# KiCad board sun3_60_layout2_routing2.kicad_pcb (continued)
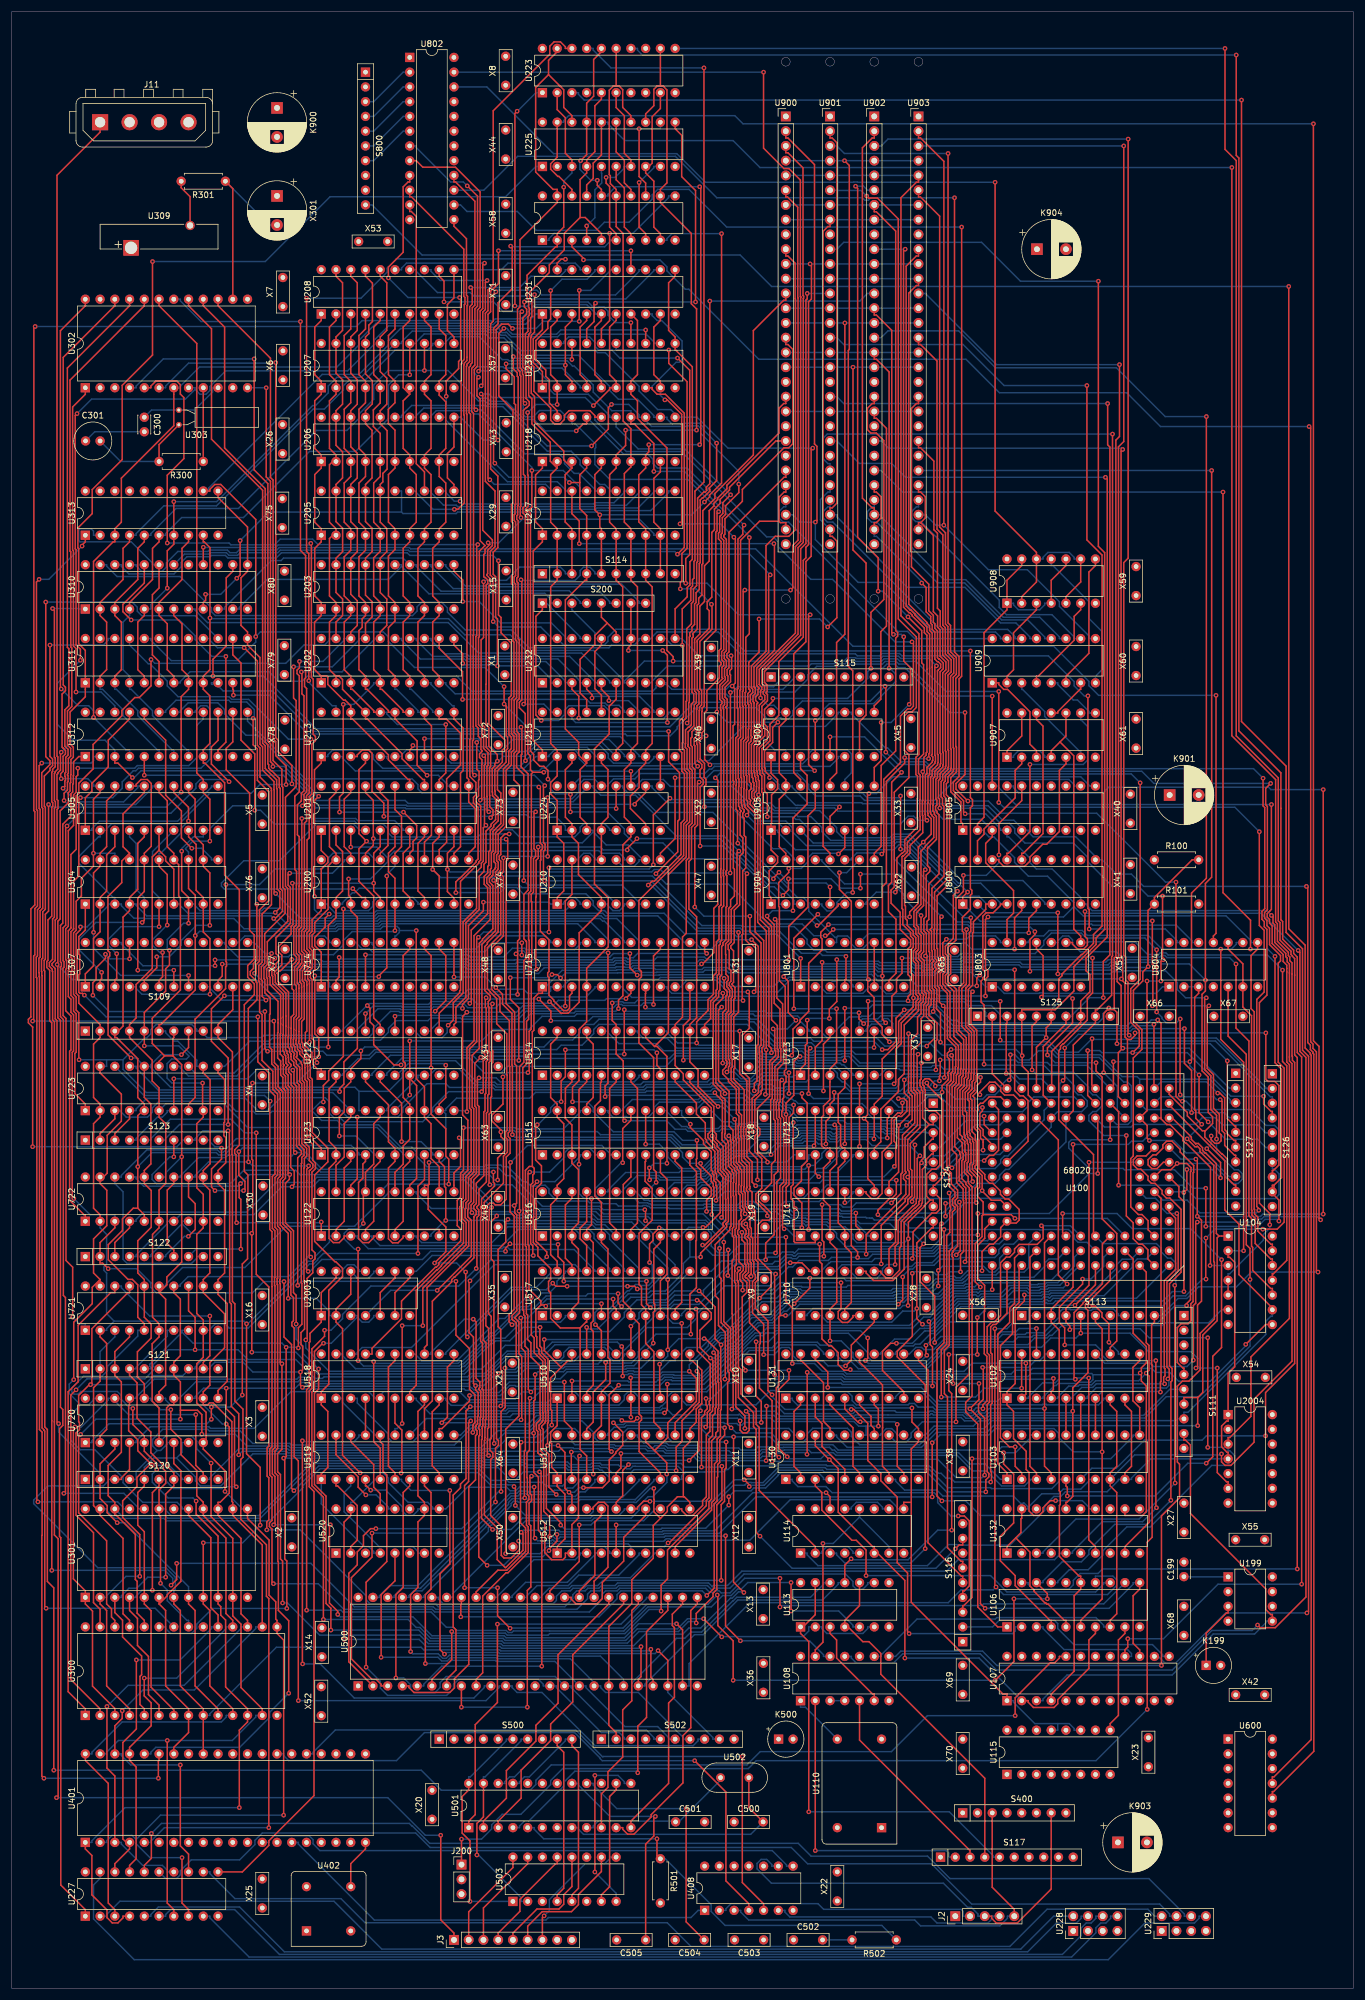
[diagram p0: board, top side]
## Routing (per net, layer and track width the routed paths; a pad name or vN(x,y) marks a point on that pad's centre or on a via; arc(x,y) is an arc through that point) (continued)
/sun3_60_cpu/D30: length 451.9
  Top w0.25: v1(195.58,173.45) 195.58,151.12 U100.133 195.61,148.57 195.61,146.38 v1(196,145.99) ; U122.17 60.96,137.72 ; 60.96,137.72 60.96,138.29 60.96,138.29 60.96,140.51 62.37,141.92 62.37,148.89 63.5,150.01 U123.16 ; 60.96,137.72 60.59,137.35 v1(60.59,131.71) ; v1(104.47,119.62) 104.47,118 v1(105.06,117.41) ; v1(137.05,166.71) 137.05,162.72 136.74,162.4 136.74,159.17 135.91,158.34 U713.1 ; 198.26,177.11 v1(198.35,177.11) ; 198.26,177.11 197.99,176.84 v1(197.99,173.45) ; 198.26,177.11 v1(198.26,188.08) ; v1(59.69,108.09) v1(59.69,127.3) ; v1(159.88,203.22) 159.84,203.26 159.84,204.78 159.66,204.96 159.66,207.98 159.94,208.25 159.94,209.17 160.87,210.1 160.87,210.42 160.95,210.5 160.95,212.97 160.84,213.07 160.84,226.3 161.39,226.85 161.39,228.57 160.39,229.58 160.39,234.11 159.96,234.53 159.96,237.15 159.49,237.62 159.49,250.54 158.87,251.16 158.87,262.96 156.57,265.26 156.22,265.26 156.22,266.44 ; v1(142.15,177.13) 142.15,169.92 140.86,168.64 v1(140.86,167.01)
  Bottom w0.25: v1(142.15,177.13) 142.42,176.86 149.34,176.86 149.58,176.61 155.05,176.61 155.56,176.1 156.72,176.1 156.87,175.95 156.88,175.95 157.04,175.79 158.39,175.79 158.89,176.29 163.78,176.29 164.17,176.68 173.72,176.68 174.1,176.3 185.58,176.3 185.65,176.23 188.88,176.23 189.33,176.67 190.09,176.67 190.37,176.4 190.97,176.4 191.69,177.11 v1(198.35,177.11) ; v1(198.26,188.08) 195.77,188.08 194.1,189.74 189.62,189.74 185.35,194.01 185.35,194.77 182.93,197.19 174.57,197.19 172.8,198.96 172.8,199.67 171.87,200.61 170.33,200.61 167.74,203.19 159.92,203.19 v1(159.88,203.22) ; v1(59.69,127.3) 59.05,127.3 57.29,129.05 57.29,130.01 58.06,130.77 59.65,130.77 v1(60.59,131.71) ; U713.1 134.78,157.22 134.5,156.94 133.55,156.94 133.34,157.15 129.62,157.15 128.66,156.18 128.17,156.18 127.72,155.72 125.18,155.72 125.01,155.89 120.51,155.89 120.24,155.62 109.24,155.62 108.79,155.17 83.46,155.17 83.05,155.58 79.83,155.58 77.06,158.34 75.2,158.34 75.09,158.23 74.49,158.23 74.38,158.34 73.13,158.34 72.25,157.46 72.25,157.22 U212.8 69.99,157.22 69.99,156.79 64.63,151.42 64.63,151.14 U123.16 ; S127.8 209.74,139.78 205.66,143.85 202.34,143.85 200.2,145.99 v1(196,145.99) ; v1(104.47,119.62) 99.3,119.62 98.9,119.22 92.07,119.22 89.78,116.93 87.83,116.93 83.3,112.4 82.7,112.4 77.96,107.66 77.96,107.66 77.84,107.54 77.48,107.54 77.09,107.16 60.63,107.16 v1(59.69,108.09) ; v1(105.06,117.41) 106.65,119 109.87,119 110.48,119.61 112.98,119.61 U517.14 ; v1(137.05,166.71) 137.36,167.01 v1(140.86,167.01) ; v1(195.58,173.45) v1(197.99,173.45)
/sun3_60_cpu/D31: length 426.2
  Top w0.25: U122.18 58.42,138.29 59.55,139.41 v1(59.55,150.01) ; U100.157 199.41,153.95 202.54,150.82 202.54,150.23 205.11,147.66 205.55,147.66 ; v1(131.59,126.63) 131.81,126.86 131.81,138.86 132.46,139.51 132.46,149.76 132.22,150 132.22,151.4 132.17,151.45 132.17,152.47 132.38,152.68 132.38,156.1 v1(132.68,156.4) ; v1(206.72,261.36) 206.72,191.32 205.65,190.25 v1(205.65,173.61) 205.65,171.74 205.07,171.16 205.07,157.98 206.13,156.91 206.13,150.82 206.89,150.07 206.89,148.91 205.63,147.66 205.55,147.66 ; 205.55,147.66 205.55,146.58 208.47,143.66 208.55,143.66 209.44,142.77 209.44,139.51 210.58,138.36 210.86,138.36 S127.9 ; U713.2 138.44,162.03 139.62,163.2 v1(139.62,176.68)
  Bottom w0.25: U903.25 v1(206.72,261.36) ; U212.9 74.79,157.22 74.79,155.76 ; U517.13 120.51,123.47 122.28,125.24 123.86,125.24 125.25,126.63 v1(131.59,126.63) ; U123.19 57.01,151.14 57.01,150.86 57.85,150.01 v1(59.55,150.01) 66.53,150.01 67.4,150.89 67.4,151.61 71.56,155.76 74.79,155.76 ; 74.79,155.76 75.43,155.13 82.86,155.13 83.27,154.72 108.98,154.72 109.43,155.17 120.43,155.17 120.66,155.4 122.22,155.4 122.35,155.27 127.9,155.27 128.35,155.72 128.84,155.72 129.52,156.4 v1(132.68,156.4) 133.01,156.08 136.87,156.08 137.32,156.53 137.32,157.22 U713.2 ; v1(139.62,176.68) 139.89,176.4 149.16,176.4 149.45,176.1 154.92,176.1 155.38,175.65 156.53,175.65 156.84,175.34 158.57,175.34 159.07,175.84 167.45,175.84 167.84,176.23 173.53,176.23 173.92,175.85 185.39,175.85 185.46,175.78 189.07,175.78 189.51,176.22 189.91,176.22 190.18,175.95 191.16,175.95 191.44,176.23 191.88,176.66 197.78,176.66 198.05,176.39 202.87,176.39 v1(205.65,173.61)
/sun3_60_cpu/DMA-: length 93
  Top w0.25: U130.8 151.15,88.77 150.02,89.89 150.02,96.49 150.04,96.51 150.04,97.78 150.02,97.8 150.02,103.9 146.06,107.85 U131.15 ; 172.97,77.57 175.42,75.12 175.42,69.29 176.09,68.62 176.09,68.61 176.16,68.55 176.16,68.33 177.33,67.17 177.33,67.06 178.03,66.35 178.12,66.35 178.15,66.35 178.34,66.16 178.55,66.16 181.34,63.37 181.62,63.37 U106.5 ; 172.97,77.57 171.47,76.07 U132.1 ; 172.97,77.57 173.87,78.47 173.87,80.83 174,80.97 U132.19
  Bottom w0.25: U103.7 185.58,87.64 185.58,87.36 184.19,85.97 181.17,85.97 180.36,85.16 177.45,85.16 175.13,82.84 ; 175.13,82.84 174.4,83.57 174.3,83.57 174.22,83.49 173.84,83.49 172.57,84.76 160.43,84.76 159.39,85.8 153.83,85.8 152.27,87.36 152.27,87.64 U130.8 ; 175.13,82.84 175.13,82.56 U132.19
/sun3_60_cpu/DMAX-: length 21.9
  Top w0.25: v1(152.56,97.12) 152.56,89.89 153.69,88.77 U130.9 ; U131.5 143.53,99.78 145.74,97.56 v1(146.19,97.56)
  Bottom w0.25: v1(152.56,97.12) 152.12,97.56 v1(146.19,97.56)
/sun3_60_cpu/DS: length 189.1
  Top w0.25: U104.8 216.01,114.3 v1(212.6,110.89) ; U122.11 76.2,140.4 77.34,141.53 77.34,146.21 v1(77.1,146.45) ; v1(133.38,129.34) 133.38,118.28 134.49,117.17 v1(134.49,107.59) ; v1(120.61,133.24) 120.61,135.97 120.98,136.34 120.98,137.95 120.87,138.06 120.87,138.6 120.53,138.94 120.53,139.86 118.69,141.69 v1(118.69,142.06)
  Bottom w0.25: v1(133.38,129.34) 124.51,129.34 v1(120.61,133.24) ; v1(118.69,142.06) 116.66,142.06 115.57,143.15 115.57,143.89 113.38,146.08 77.46,146.08 v1(77.1,146.45) ; v1(212.6,110.89) 212.6,110.65 206.49,104.55 201.01,104.55 199.5,106.06 197.08,106.06 196.39,106.74 175.85,106.74 175.53,106.43 172.82,106.43 172.19,105.79 143.85,105.79 143.4,106.24 139.66,106.24 138.32,107.59 v1(134.49,107.59)
/sun3_60_cpu/E.REX-: length 16.1
  Top w0.25: 138.44,101.6 138.44,98.4 139.61,97.24 139.61,93.32 143.53,89.4 U130.5
/sun3_60_cpu/EMULATE-: length 42.7
  Top w0.25: v1(170.88,92.22) 170.88,90.29 172.61,88.56 172.61,80.13 170.31,77.83 170.31,73.64 172.88,71.07 172.88,69.36 178.87,63.37 179.09,63.37 U106.4
  Bottom w0.25: U103.18 175.42,95.26 175.42,94.72 172.92,92.22 v1(170.88,92.22)
/sun3_60_cpu/EN.BOOT-: length 399.6
  Top w0.25: U226.18 96.52,309.75 94.28,311.98 94.1,311.98 92.85,313.23 92.85,314.17 93.98,315.29 U225.19 ; v1(203.57,108.17) 203.58,108.18 203.58,117.58 203.98,117.97 203.98,131.66 v1(204.25,131.94) ; v1(225.5,132.33) 225.22,132.6 225.22,162.19 224.25,163.16 v1(224.25,321.05)
  Bottom w0.25: v1(204.25,131.94) 213.52,131.94 214.04,132.46 215.33,132.46 215.73,132.87 224.96,132.87 v1(225.5,132.33) ; U225.19 95.11,321.32 95.11,321.6 95.95,322.45 124.59,322.45 125.99,321.05 v1(224.25,321.05) ; U102.14 188.3,107.63 196.15,107.63 196.71,107.07 202.47,107.07 v1(203.57,108.17)
/sun3_60_cpu/EN.CTL-: length 418.6
  Top w0.25: v1(61.28,169.22) 61.73,168.78 61.73,166.42 62.37,165.78 62.37,162.48 65.86,159 v1(67.08,159) ; v1(133.91,106.41) 133.91,104.86 132.23,103.18 132.23,92.91 v1(133.62,91.53) ; v1(167.61,88.37) 167.6,88.38 167.6,98.21 166.56,99.25 166.56,100.58 167.38,101.4 167.38,106.8 v1(167.27,106.91) ; v1(136.14,154.08) 136.14,153.35 137.03,152.46 137.03,142.46 136.06,141.49 136.06,139.06 134.78,137.77 134.78,136.58 136.13,135.22 v1(136.13,130.98) ; v1(126.41,106.41) 126.41,106.65 125.86,107.2 125.86,119.04 126.66,119.84 126.66,121.53 125.91,122.27 125.91,122.88 126.34,123.3 126.5,123.46 126.5,124.56 126.3,124.76 126.3,128.37 125.8,128.88 v1(125.8,130.18) ; v1(100.22,272.52) 103.01,275.32 103.01,275.6 U230.6 104.14,276.73 103.01,277.85 103.01,286.05 104.14,287.17 U231.6 ; v1(80.89,274.52) 81.16,274.25 81.16,251.05 82.82,249.39 82.82,248.42 82,247.6 82,243.59 81.84,243.43 81.84,243.32 82.48,242.68 82.48,241.71 82.23,241.46 82.23,217.7 84.99,214.94 84.99,213.64 84.54,213.19 84.54,211.13 83.24,209.84 83.24,206.21 83.29,206.16 83.29,205.55 83.83,205.01 83.83,201.04 83.04,200.25 83.04,199.94 82.47,199.38 82.47,195.98 82.19,195.7 82.19,193.35 82.02,193.18 82.02,192.07 81.41,191.46 81.41,190.11 82,189.51 82,185.04 79.18,182.22 79.18,169.85 v1(78.93,169.6) ; v1(133.9,157.67) v1(133.9,154.08)
  Bottom w0.25: v1(67.08,159) 67.8,159.72 76.48,159.72 80.17,156.03 83.24,156.03 83.64,155.62 108.36,155.62 108.83,156.09 119.85,156.09 120.39,156.63 125,156.63 125.45,156.18 127.53,156.18 127.98,156.63 128.32,156.63 129.36,157.67 v1(133.9,157.67) ; v1(167.27,106.91) 175.16,106.91 176.34,108.09 177.11,108.09 177.96,108.94 177.96,109.22 U102.17 ; v1(167.61,88.37) 167.19,87.95 162.7,87.95 159.55,91.1 141.83,91.1 141.15,91.78 139.99,91.78 139.4,91.2 133.95,91.2 v1(133.62,91.53) ; U212.19 57.01,164.84 57.01,165.03 61.2,169.22 v1(61.28,169.22) 61.63,169.57 67.28,169.57 67.42,169.44 71.84,169.44 72.32,169.92 78.62,169.92 v1(78.93,169.6) ; v1(136.13,130.98) 135.84,131.27 133.62,131.27 133.29,131.6 132.79,131.6 131.14,129.94 126.04,129.94 v1(125.8,130.18) ; v1(133.91,106.41) v1(126.41,106.41) ; v1(100.22,272.52) 98.82,273.91 82.84,273.91 82.23,274.52 v1(80.89,274.52) ; v1(136.14,154.08) v1(133.9,154.08)
/sun3_60_cpu/EN.FPP: length 385.6
  Top w0.25: v1(216.01,95.13) 216.01,102.59 221.02,107.6 221.02,159.42 220.64,159.8 220.64,160.48 220.57,160.55 220.57,174.65 220.57,174.65 220.57,176.57 220.18,176.95 220.18,177.59 219.94,177.83 219.94,178.39 218.05,180.28 218.05,183.32 217.74,183.63 217.74,208.13 210.2,215.68 v1(210.2,313.52) ; U225.16 101.6,315.68 100.19,314.26 100.19,311.64 99.06,310.51 U226.17
  Bottom w0.25: U225.16 102.73,321.32 102.73,321.04 105.62,318.15 124.28,318.15 128.91,313.52 v1(210.2,313.52) ; v1(216.01,95.13) 205.81,95.13 205.08,94.39 195.12,94.39 190.28,89.56 186.08,89.56 U103.6
/sun3_60_cpu/FC0: length 56.5
  Top w0.25: U100.53 199.41,133.73 200.5,132.63 200.5,123.79 198.56,121.85 198.56,106.82 198.68,106.7 198.68,105.48 198.46,105.25 198.46,104.26 v1(198.63,104.09) ; U103.16 U102.5
  Bottom w0.25: v1(198.63,104.09) 186.84,104.09 186.22,103.47 184.34,103.47 182.75,101.88 182.75,101.6 U102.5
/sun3_60_cpu/FC1: length 61.8
  Top w0.25: v1(199.18,104.95) 199.41,105.17 199.41,106.61 199.01,107.01 199.01,121.62 200.96,123.56 200.96,133.2 v1(200.73,133.43) ; U102.6 U103.15
  Bottom w0.25: v1(200.73,133.43) 199.05,133.43 197.95,134.53 197.95,135.12 197.04,136.04 195.45,136.04 U100.68 ; v1(199.18,104.95) 199.35,104.78 199.35,103.79 198.93,103.36 198.32,103.36 198.27,103.41 186.82,103.41 185.29,101.88 185.29,101.6 U102.6
/sun3_60_cpu/OE.BOOT-: length 275.6
  Top w0.25: v1(165.56,138.92) 165.39,139.09 165.39,139.84 164.59,140.64 164.59,142.13 164.82,142.36 164.82,145.3 164.64,145.47 164.64,146.01 164.22,146.43 164.22,146.82 164.09,146.95 164.09,147.29 164.08,147.3 164.08,150.24 163.82,150.49 163.82,154.46 164.45,155.1 164.45,155.13 164.54,155.22 164.54,156.48 164.82,156.76 164.82,157.73 164.9,157.81 164.9,164.41 163.68,165.63 163.68,172.16 164.24,172.72 164.24,172.72 164.46,172.94 164.46,182.28 v1(164.51,182.33) ; v1(140.15,181.25) 140.46,181.25 v1(141.54,182.33) ; v1(173.99,103.34) 173.99,108.07 174,108.09 U102.19 ; v1(160.15,101.81) 160.15,109.99 161.08,110.92 161.08,129.61 161.6,130.14 161.6,133.86 161.75,134 161.75,134.59 161.63,134.71 161.63,136.81 v1(161.49,136.95) ; v1(110.99,191.93) 114.74,195.68 114.74,200.97 115.05,201.28 115.05,209.32 113.17,211.2 v1(113.17,216.44)
  Bottom w0.25: v1(160.15,101.81) 166.05,101.81 167.58,103.34 v1(173.99,103.34) ; v1(110.99,191.93) 112.79,190.14 123.47,190.14 130.33,183.27 136.17,183.27 138.19,181.25 v1(140.15,181.25) ; v1(164.51,182.33) v1(141.54,182.33) ; v1(165.56,138.92) 163.67,138.92 161.7,136.95 v1(161.49,136.95) ; U311.10 34.43,224.8 34.43,224.59 34.51,224.52 35.31,224.52 36.44,223.39 44.91,223.39 51.86,216.44 v1(113.17,216.44)
/sun3_60_cpu/R.CLK-: length 18.8
  Top w0.25: U115.9 189.25,45.59 190.66,47 190.66,59.99 191.78,61.11 U106.9
/sun3_60_cpu/R.REQ-: length 64.6
  Top w0.25: 138.44,87.64 138.44,86.51 139.57,85.39 139.57,82.34 144.76,77.15 145.5,77.15 147.19,75.46 v1(147.19,71.07)
  Bottom w0.25: U106.13 188.12,69.86 188.12,69.64 186.74,68.26 171.46,68.26 168.64,71.07 v1(147.19,71.07)
/sun3_60_cpu/R.REX-: length 14.9
  Top w0.25: U131.2 135.91,100.47 134.78,99.35 134.78,89.89 135.91,88.77 U130.2
/sun3_60_cpu/S.REX-: length 16.1
  Top w0.25: U130.6 146.06,88.77 144.94,89.89 144.94,96.52 140.99,100.47 U131.4
/sun3_60_cpu/XACK5-: length 13.6
  Top w0.25: U131.6 146.06,100.47 148.05,98.49 148.05,96.95 148.6,96.39 148.6,95.26
  Bottom w0.25: U130.12 152.56,95.26 152.56,95.44 151.61,96.39 150.68,96.39 149.73,95.44 149.73,95.26 148.6,95.26
/sun3_60_eeprom/EN.INT: length 29
  Top w0.25: U305.3 17.78,196.56 16.37,195.15 16.37,188.95 15.24,187.83 U304.2 15.24,181.93 14.11,180.8 14.11,176.08 12.7,174.68 U307.1
/sun3_60_eeprom/EN.IO-: length 43.5
  Top w0.25: U310.19 25.4,241.12 24.25,239.97 24.25,229.59 25.4,228.44 U311.6
  Bottom w0.25: U313.2 14.11,250.2 14.11,250.9 13.69,251.33 11.76,251.33 11.57,251.14 11.57,249.26 11.77,249.07 20.61,249.07 24.27,245.4 24.27,245.12 U310.19
/sun3_60_eeprom/EN.IOL-: length 48.7
  Top w0.25: v1(20.6,235.61) 19.17,237.04 19.17,238.3 22.86,241.98 U310.20 ; U312.10 35.56,213.23 36.91,214.57 v1(36.91,229.35)
  Bottom w0.25: v1(36.91,229.35) 34.5,229.35 31.61,232.24 31.61,232.89 28.88,235.61 v1(20.6,235.61)
/sun3_60_eeprom/EN.IRQ1: length 39.1
  Top w0.25: U307.2 15.24,173.58 15.5,173.84 v1(15.5,174.94) ; v1(22.5,183.54) 22.86,183.9 U304.5
  Bottom w0.25: U305.4 20.32,198.27 21.45,197.15 21.45,189.24 22.86,187.83 U304.5 ; v1(15.5,174.94) 11.55,178.9 11.55,180.57 14.51,183.54 v1(22.5,183.54)
/sun3_60_eeprom/EN.IRQ2: length 37.1
  Top w0.25: v1(18.1,178.15) 18.1,173.9 17.78,173.58 U307.3 ; U304.6 v1(25.4,182.81)
  Bottom w0.25: U304.6 25.4,187.83 24.27,188.95 24.27,195.73 U305.7 ; v1(25.4,182.81) 18.86,182.81 16.65,180.61 16.65,179.59 v1(18.1,178.15)
/sun3_60_eeprom/EN.IRQ3: length 44.3
  Top w0.25: U305.8 30.48,198.27 31.79,196.97 31.79,189.06 33.02,187.83 U304.9 33.02,181.88 34.17,180.73 v1(34.17,171.17)
  Bottom w0.25: U307.4 21.45,172.46 21.45,172.17 22.45,171.17 v1(34.17,171.17)
/sun3_60_eeprom/EN.IRQ4: length 43.4
  Top w0.25: v1(25,177.61) 25,175.72 22.86,173.58 U307.5 ; v1(34.15,183.03) 34.15,192.07 33.02,193.19 U304.12 33.02,196.9 31.61,198.32 31.61,204.77 30.48,205.89 U305.13
  Bottom w0.25: v1(34.15,183.03) 31.83,183.03 29.21,180.41 29.21,179.68 27.15,177.61 v1(25,177.61)
/sun3_60_eeprom/EN.IRQ5: length 40.8
  Top w0.25: U304.15 25.4,193.19 26.81,191.78 v1(26.81,183.07) ; v1(30.46,200.99) 30.46,203.37 27.94,205.89 U305.14 ; v1(26,178.36) 26,174.19 25.4,173.58 U307.6
  Bottom w0.25: v1(26.81,183.07) 26.77,183.07 24.27,180.58 24.27,179.6 25.51,178.36 v1(26,178.36) ; v1(30.46,200.99) 29.18,199.71 29.18,198.95 25.68,195.45 25.4,195.45 U304.15
/sun3_60_eeprom/EN.IRQ6: length 46.8
  Top w0.25: v1(21.73,175.31) 21.73,187.74 22.86,188.87 U304.16 22.86,195.45 24.06,196.64 24.06,207.46 23.37,208.15 22.29,208.15 21.45,207.3 21.45,207.02 U305.17 ; U307.7 v1(27.94,175.31)
  Bottom w0.25: v1(27.94,175.31) v1(21.73,175.31)
/sun3_60_eeprom/EN.IRQ7: length 49.7
  Top w0.25: v1(14.11,181.84) 14.11,192.07 15.24,193.19 U304.19 15.24,195.45 16.37,196.57 16.37,204.48 17.78,205.89 U305.18 ; U307.8 v1(30.48,174.41)
  Bottom w0.25: v1(30.48,174.41) 18.79,174.41 14.11,179.09 v1(14.11,181.84)
/sun3_60_eeprom/OE.EPROM-: length 202.4
  Top w0.25: v1(6.61,231.29) 6.61,212.11 7.06,211.66 7.06,210.54 6.61,210.09 6.61,209.71 5.64,208.74 5.64,203.54 5.81,203.37 5.81,185.8 5.36,185.35 5.36,177.39 5.15,177.19 5.15,175.09 5.2,175.04 5.2,174.4 5.25,174.35 5.25,96.5 5.56,96.19 5.56,96.1 5.7,95.96 5.7,65.69 v1(5.95,65.45)
  Bottom w0.25: U311.22 16.65,232.42 16.65,232.14 15.81,231.29 v1(6.61,231.29) ; v1(5.95,65.45) 24.73,65.45 U300.22
/sun3_60_eeprom/RD.EEPROM-: length 145
  Top w0.25: v1(8.99,85.24) 9.27,85.52 9.27,118.95 8.91,119.31 8.91,166.82 8.41,167.32 8.41,175.83 8.57,176 8.57,176.6 8.41,176.76 8.41,183.02 8.81,183.42 8.81,200.44 10.22,201.84 10.22,205.48 10.23,205.48 10.23,205.69 10.52,205.99 10.52,207.32 10.63,207.43 10.63,208.77 10.67,208.82 10.67,211.2 11.57,212.1 U312.1
  Bottom w0.25: v1(8.99,85.24) 19.34,85.24 21.73,82.84 21.73,82.56 U301.20
/sun3_60_eeprom/RD.INT-: length 49.8
  Top w0.25: U305.1 12.7,205 13.83,206.13 13.83,207.49 16.65,210.32 16.65,214.93 20.32,218.59 U312.21
  Bottom w0.25: U305.1 13.83,199.4 13.83,199.68 15.12,200.98 28.6,200.98 34.43,206.81 34.43,207.02 U305.11
/sun3_60_eeprom/RD.RTC-: length 77.5
  Top w0.25: v1(8.55,223.74) 8.41,223.88 8.41,285.42 12.7,289.71 U302.24
  Bottom w0.25: v1(8.55,223.74) 11.44,220.85 13.27,220.85 14.11,220 14.11,219.72 U312.23
/sun3_60_eeprom/RD.SCC1-: length 223.5
  Top w0.25: v1(47.73,50.82) 47.73,63.3 45.95,65.08 45.95,73.44 45.86,73.53 45.86,88.28 45.37,88.77 45.37,92.49 45.82,92.95 45.82,121.14 45.75,121.21 45.75,122.19 45.82,122.26 45.82,130.61 45.37,131.06 45.37,139.6 45.82,140.05 45.82,140.7 45.82,140.7 45.82,153.98 45,154.8 45,157.92 43.14,159.78 43.14,167.66 42.72,168.08 42.72,173.33 42.57,173.48 42.57,176.1 43.15,176.67 43.15,184.98 44.76,186.59 44.76,206.22 44.75,206.23 44.75,206.61 42.78,208.57 42.78,213.58 42.33,214.03 42.33,228.56 v1(40.06,230.83)
  Bottom w0.25: U311.16 34.15,232.42 34.15,232.14 35.46,230.83 v1(40.06,230.83) ; v1(47.73,50.82) 44.45,47.54 44.45,46.67 39.28,41.5 24.83,41.5 23.99,40.66 23.99,40.38 U401.36
/sun3_60_eeprom/TYPE0: length 70.9
  Bottom w0.25: U310.10 36.69,237.5 36.69,237.78 44.75,245.84 46.41,245.84 46.84,246.27 67.43,246.27 U203.14 69.71,245.12 69.71,244.84 73.98,240.57 81.97,240.57 82.07,240.66 96.05,240.66 97.93,238.78 97.93,238.5 S200.4
/sun3_60_eeprom/TYPE1: length 63.6
  Bottom w0.25: 67.17,244.84 71.89,240.11 82.16,240.11 82.26,240.21 91.84,240.21 92.85,239.2 92.85,238.5 S200.2 ; 67.17,244.84 67.17,245.12 U203.15 ; 67.17,244.84 64.93,242.6 44.05,242.6 39.23,237.78 39.23,237.5 U310.11
/sun3_60_eeprom/WR.EEPROM-: length 155.2
  Top w0.25: v1(5.19,210.97) 4.73,210.51 4.73,203.16 4.91,202.99 4.91,186.18 4.46,185.72 4.46,177.77 4.25,177.56 4.25,174.07 4.35,173.98 4.35,83.95 v1(4.53,83.77)
  Bottom w0.25: U301.21 19.19,82.56 19.19,82.84 18.26,83.77 v1(4.53,83.77) ; U312.2 14.11,212.1 14.11,211.4 13.69,210.97 v1(5.19,210.97)
/sun3_60_eeprom/WR.INT-: length 32.3
  Top w0.25: v1(31.03,196.31) 29.25,198.09 29.25,202.74 26.53,205.45 26.53,214.92 22.86,218.59 U312.20
  Bottom w0.25: U304.11 34.43,194.32 34.43,194.6 32.73,196.31 v1(31.03,196.31)
/sun3_60_eeprom/WR.RTC-: length 62.3
  Top w0.25: v1(11.1,223.21) 11.1,230.7 10.65,231.15 10.65,247.53 10.51,247.67 10.51,272.28 12.7,274.47 U302.1
  Bottom w0.25: v1(11.1,223.21) 15.42,223.21 17.78,220.85 U312.22
/sun3_60_eeprom/WR.SCC1-: length 260.8
  Top w0.25: v1(25.28,36.18) 25.28,39.13 25.4,39.25 U401.35 ; v1(5.57,36.18) 5.2,36.54 5.2,77.98 5.25,78.03 5.25,95.77 4.8,96.23 4.8,174.16 4.75,174.21 4.75,174.85 4.7,174.9 4.7,177.37 4.91,177.58 4.91,185.54 5.36,185.99 5.36,203.18 5.19,203.35 5.19,209.31 6.61,210.73 6.61,211.36 5.88,212.09 v1(5.88,238.7)
  Bottom w0.25: v1(5.88,238.7) 20.76,238.7 21.65,237.81 21.65,237.12 22.42,236.35 31.63,236.35 U311.15 ; v1(5.57,36.18) v1(25.28,36.18)
/sun3_60_mmu_diag/ACCESS: length 36.4
  Bottom w0.25: U203.13 72.25,245.12 72.25,244.84 76.07,241.02 81.79,241.02 82.1,241.33 100.46,241.33 103.01,238.78 103.01,238.5 S200.6
/sun3_60_mmu_diag/ACCESSX: length 24.9
  Top w0.25: S200.5 101.6,236.09 102.61,235.08 ; U215.17 99.06,221.91 97.93,223.03 97.93,228.84 100.47,231.38 100.47,232.95 102.61,235.08 ; 102.61,235.08 104.14,233.55 U232.15
/sun3_60_mmu_diag/EN.PMAP0-: length 103.5
  Top w0.25: v1(88.2,221.13) 88.47,221.4 88.47,253.66 88.08,254.06 88.08,254.9 88.45,255.27 88.45,260.41 88.17,260.69 88.17,271.7 88.65,272.18 88.74,272.18 89.17,272.6 89.17,273.21 88.62,273.76 88.62,277.99 88.5,278.11 88.5,278.75 88.05,279.2 88.05,287.58 88.72,288.25 88.72,289.13 88.33,289.52 v1(88.33,290.37)
  Bottom w0.25: U231.12 110.63,295.92 110.63,295.73 105.8,290.89 88.85,290.89 v1(88.33,290.37) ; U215.19 92.85,219.72 92.85,219.96 91.69,221.13 v1(88.2,221.13)
/sun3_60_mmu_diag/EN.PMAP2-: length 79
  Top w0.25: v1(82.38,259.74) 82.06,260.06 82.06,288.24 82.52,288.69 82.52,292.25 83.12,292.85 83.19,292.85 83.87,293.53 v1(83.87,299.19) ; U231.14 v1(106.68,299.19)
  Bottom w0.25: v1(106.68,299.19) v1(83.87,299.19) ; U217.19 92.85,257.82 92.85,258.1 91.99,258.97 83.15,258.97 v1(82.38,259.74)
/sun3_60_mmu_diag/EN.PMAP3-: length 34.8
  Top w0.25: v1(92.85,292.32) 92.85,287.43 92.37,286.95 92.37,285.79 90.31,283.73 90.31,280.36 92.01,278.66 92.01,277.58 92.64,276.95 92.64,272.98 93.98,271.65 U218.19
  Bottom w0.25: U231.16 100.47,295.92 100.47,295.64 99.13,294.29 94.82,294.29 v1(92.85,292.32)
/sun3_60_mmu_diag/EN.SMAP-: length 124.4
  Top w0.25: v1(95.4,297.72) 94.66,297.72 93.98,297.05 U231.19 ; v1(51.19,225.16) 51.19,247.06 50.81,247.44 v1(50.81,291.02)
  Bottom w0.25: U213.19 55.88,220.85 55.22,220.85 51.19,224.88 v1(51.19,225.16) ; v1(50.81,291.02) 60.19,291.02 64.69,295.52 64.69,296.18 66.3,297.79 95.34,297.79 v1(95.4,297.72)
/sun3_60_mmu_diag/EN.VIDEO: length 15.3
  Top w0.25: v1(108.09,310.93) 108.09,303.25 109.22,302.13 U226.8
  Bottom w0.25: v1(108.09,310.93) 110.63,313.47 110.63,313.7 U225.9
/sun3_60_mmu_diag/LED0: length 174.6
  Bottom w0.25: U228.2 179.52,12.44 173.84,6.76 63.77,6.76 55.53,15 18.65,15 16.37,12.71 16.37,12.44 U227.2
/sun3_60_mmu_diag/LED1: length 169.3
  Bottom w0.25: U228.4 184.24,12.44 184.24,12.07 183.43,11.26 179.99,11.26 175.03,6.3 46.98,6.3 39.27,14.01 25.28,14.01 23.99,12.72 23.99,12.44 U227.5
/sun3_60_mmu_diag/LED2: length 170.1
  Bottom w0.25: U227.6 26.53,12.44 26.53,12.72 27.37,13.56 38.42,13.56 46.13,5.85 181.01,5.85 184.24,9.08 184.24,10.39 185.12,11.26 185.97,11.26 186.78,12.07 186.78,12.44 U228.6
/sun3_60_mmu_diag/LED3: length 164.2
  Bottom w0.25: U227.9 34.15,12.44 34.15,12.15 40.9,5.4 182.59,5.4 186.78,9.59 186.78,10.42 187.62,11.26 188.51,11.26 189.32,12.07 189.32,12.44 U228.8
/sun3_60_mmu_diag/LED4: length 173.7
  Bottom w0.25: U227.12 34.15,20.06 34.15,19.77 38.47,15.45 56.74,15.45 60.89,11.31 112.94,11.31 117.02,7.22 171.97,7.22 178.39,13.64 195.74,13.64 196.94,12.44 U229.2
/sun3_60_mmu_diag/LED5: length 185.9
  Bottom w0.25: U227.15 26.53,18.93 28.42,18.93 29.07,19.58 29.07,20.25 30.94,22.13 39.28,22.13 41.91,24.76 41.91,25.48 43.18,26.75 69.61,26.75 72.1,24.26 134.31,24.26 137.12,21.45 158.45,21.45 165.39,14.52 197.77,14.52 199.48,12.8 199.48,12.44 U229.4
/sun3_60_mmu_diag/LED6: length 193.8
  Top w0.25: U227.16 22.86,21.18 24.08,22.4 v1(24.08,26.67)
  Bottom w0.25: U229.6 202.02,12.44 202.02,12.8 195.92,18.9 161.65,18.9 157.79,22.76 137.72,22.76 135.51,24.98 72.02,24.98 71.08,25.92 71.08,25.92 69.05,27.95 68.97,27.95 68.52,28.4 25.81,28.4 v1(24.08,26.67)
/sun3_60_mmu_diag/LED7: length 206.4
  Bottom w0.25: U227.19 15.24,18.93 14.11,17.8 14.11,11.95 21.12,4.95 188.92,4.95 195.23,11.26 203.75,11.26 204.56,12.07 204.56,12.44 U229.8
/sun3_60_mmu_diag/MMU0: length 252.3
  Top w0.25: U225.3 96.52,314.83 95.39,315.95 95.39,322.08 93.98,323.49 U223.2 ; U218.2 93.98,261.77 ; v1(95.11,310.13) 95.11,303.25 93.98,302.13 U226.2 93.98,299.87 93.7,299.87 88.79,294.97 88.79,290.94 89.05,290.68 89.05,289.43 89.17,289.32 89.17,288.06 88.95,287.84 88.95,285.31 88.51,284.87 88.51,279.38 88.95,278.94 88.95,278.29 89.07,278.17 89.07,274.24 89.62,273.69 89.62,269.39 92.8,266.22 92.8,262.96 93.98,261.77 ; 93.98,261.77 92.85,260.65 92.85,252.45 93.98,251.33 U217.2 S114.2 93.98,242.45 92.85,241.32 92.85,214.35 93.98,213.23 U215.2 93.98,208.76 92.85,207.63 92.85,205.65 93.98,204.53 U224.1 93.98,198.27 95.11,197.15 95.11,188.95 93.98,187.83 U210.1 ; v1(81.27,187.02) 81.27,185.55 78.7,182.98 78.7,170.46 77.67,169.43 v1(77.67,168.74)
  Bottom w0.25: U210.3 97.93,186.7 97.93,186.98 97.09,187.83 95.95,187.83 95.11,186.98 95.11,186.7 U210.1 92.85,186.7 92.53,187.02 v1(81.27,187.02) ; v1(77.67,168.74) 77.42,168.98 72.67,168.98 72.22,168.53 67.04,168.53 66.91,168.66 63.09,168.66 59.55,165.12 59.55,164.84 U212.18 ; U213.2 57.01,212.1 57.01,211.82 59.21,209.62 90.87,209.62 91.37,210.12 92,210.12 U215.2 ; v1(95.11,310.13) 95.11,311.16 96.52,312.57 U225.3
/sun3_60_mmu_diag/MMU1: length 305.2
  Top w0.25: U223.5 101.6,325.27 100.47,324.15 100.47,316.24 99.06,314.83 U225.4 99.06,312.57 97.93,311.45 97.93,304.91 ; S114.3 U217.3 96.52,251.33 95.36,252.49 95.36,260.61 96.52,261.77 ; v1(81.3,242.2) 81.3,232.59 80.88,232.17 80.88,217.78 81.48,217.18 81.48,215.77 81.75,215.49 81.75,213.69 82.51,212.93 82.51,210.39 82.33,210.21 82.33,205.42 82.36,205.39 82.36,203.45 82.93,202.89 82.93,201.98 v1(82.52,201.57) ; v1(64.11,201.8) 64.11,204.08 62.09,206.1 62.09,212.67 61.52,213.23 60.39,213.23 59.55,212.38 59.55,212.1 U213.3 ; 96.52,261.77 95.11,263.19 95.11,264.7 90.07,269.73 90.07,274.11 89.52,274.66 89.52,278.36 89.4,278.48 89.4,279.13 88.96,279.57 88.96,284.38 89.08,284.5 89.08,284.8 89.4,285.13 89.4,287.66 89.62,287.87 89.62,290.75 89.24,291.13 89.24,292.05 92.63,295.44 92.63,296.75 95.2,299.32 95.2,302.18 97.93,304.91 ; 96.52,261.77 U218.3 ; 97.93,304.91 98.82,304.91 101.6,302.13 U226.5 ; U215.3 96.52,210.97 95.39,209.85 95.39,201.65 96.52,200.53 U224.2 96.52,198.27 97.65,197.15 97.65,191.78 101.6,187.83 U210.4 101.6,185.57 97.77,181.74 97.77,169.79 95.87,167.89 94.66,167.89 v1(92.65,169.9) ; U212.17 v1(60.96,167.83)
  Bottom w0.25: 82.52,201.8 v1(64.11,201.8) ; 82.52,201.8 82.8,202.08 88.69,202.08 89.12,201.66 93.84,201.66 95.39,200.1 95.39,199.4 U224.2 ; 82.52,201.8 v1(82.52,201.57) ; U210.4 102.73,186.7 102.73,186.42 103.57,185.57 104.71,185.57 105.55,186.42 105.55,186.7 U210.6 ; v1(60.96,167.83) 62.24,169.12 67.1,169.12 67.23,168.98 72.03,168.98 72.48,169.44 77.34,169.44 77.37,169.47 77.97,169.47 78.58,168.85 82.32,168.85 82.39,168.79 83.29,168.79 84.12,169.62 92.38,169.62 v1(92.65,169.9) ; v1(81.3,242.2) 81.54,242.44 85.25,242.44 87.53,244.72 94.53,244.72 95.39,243.86 95.39,243.58 S114.3